# KiCad board raven.kicad_pcb (continued)
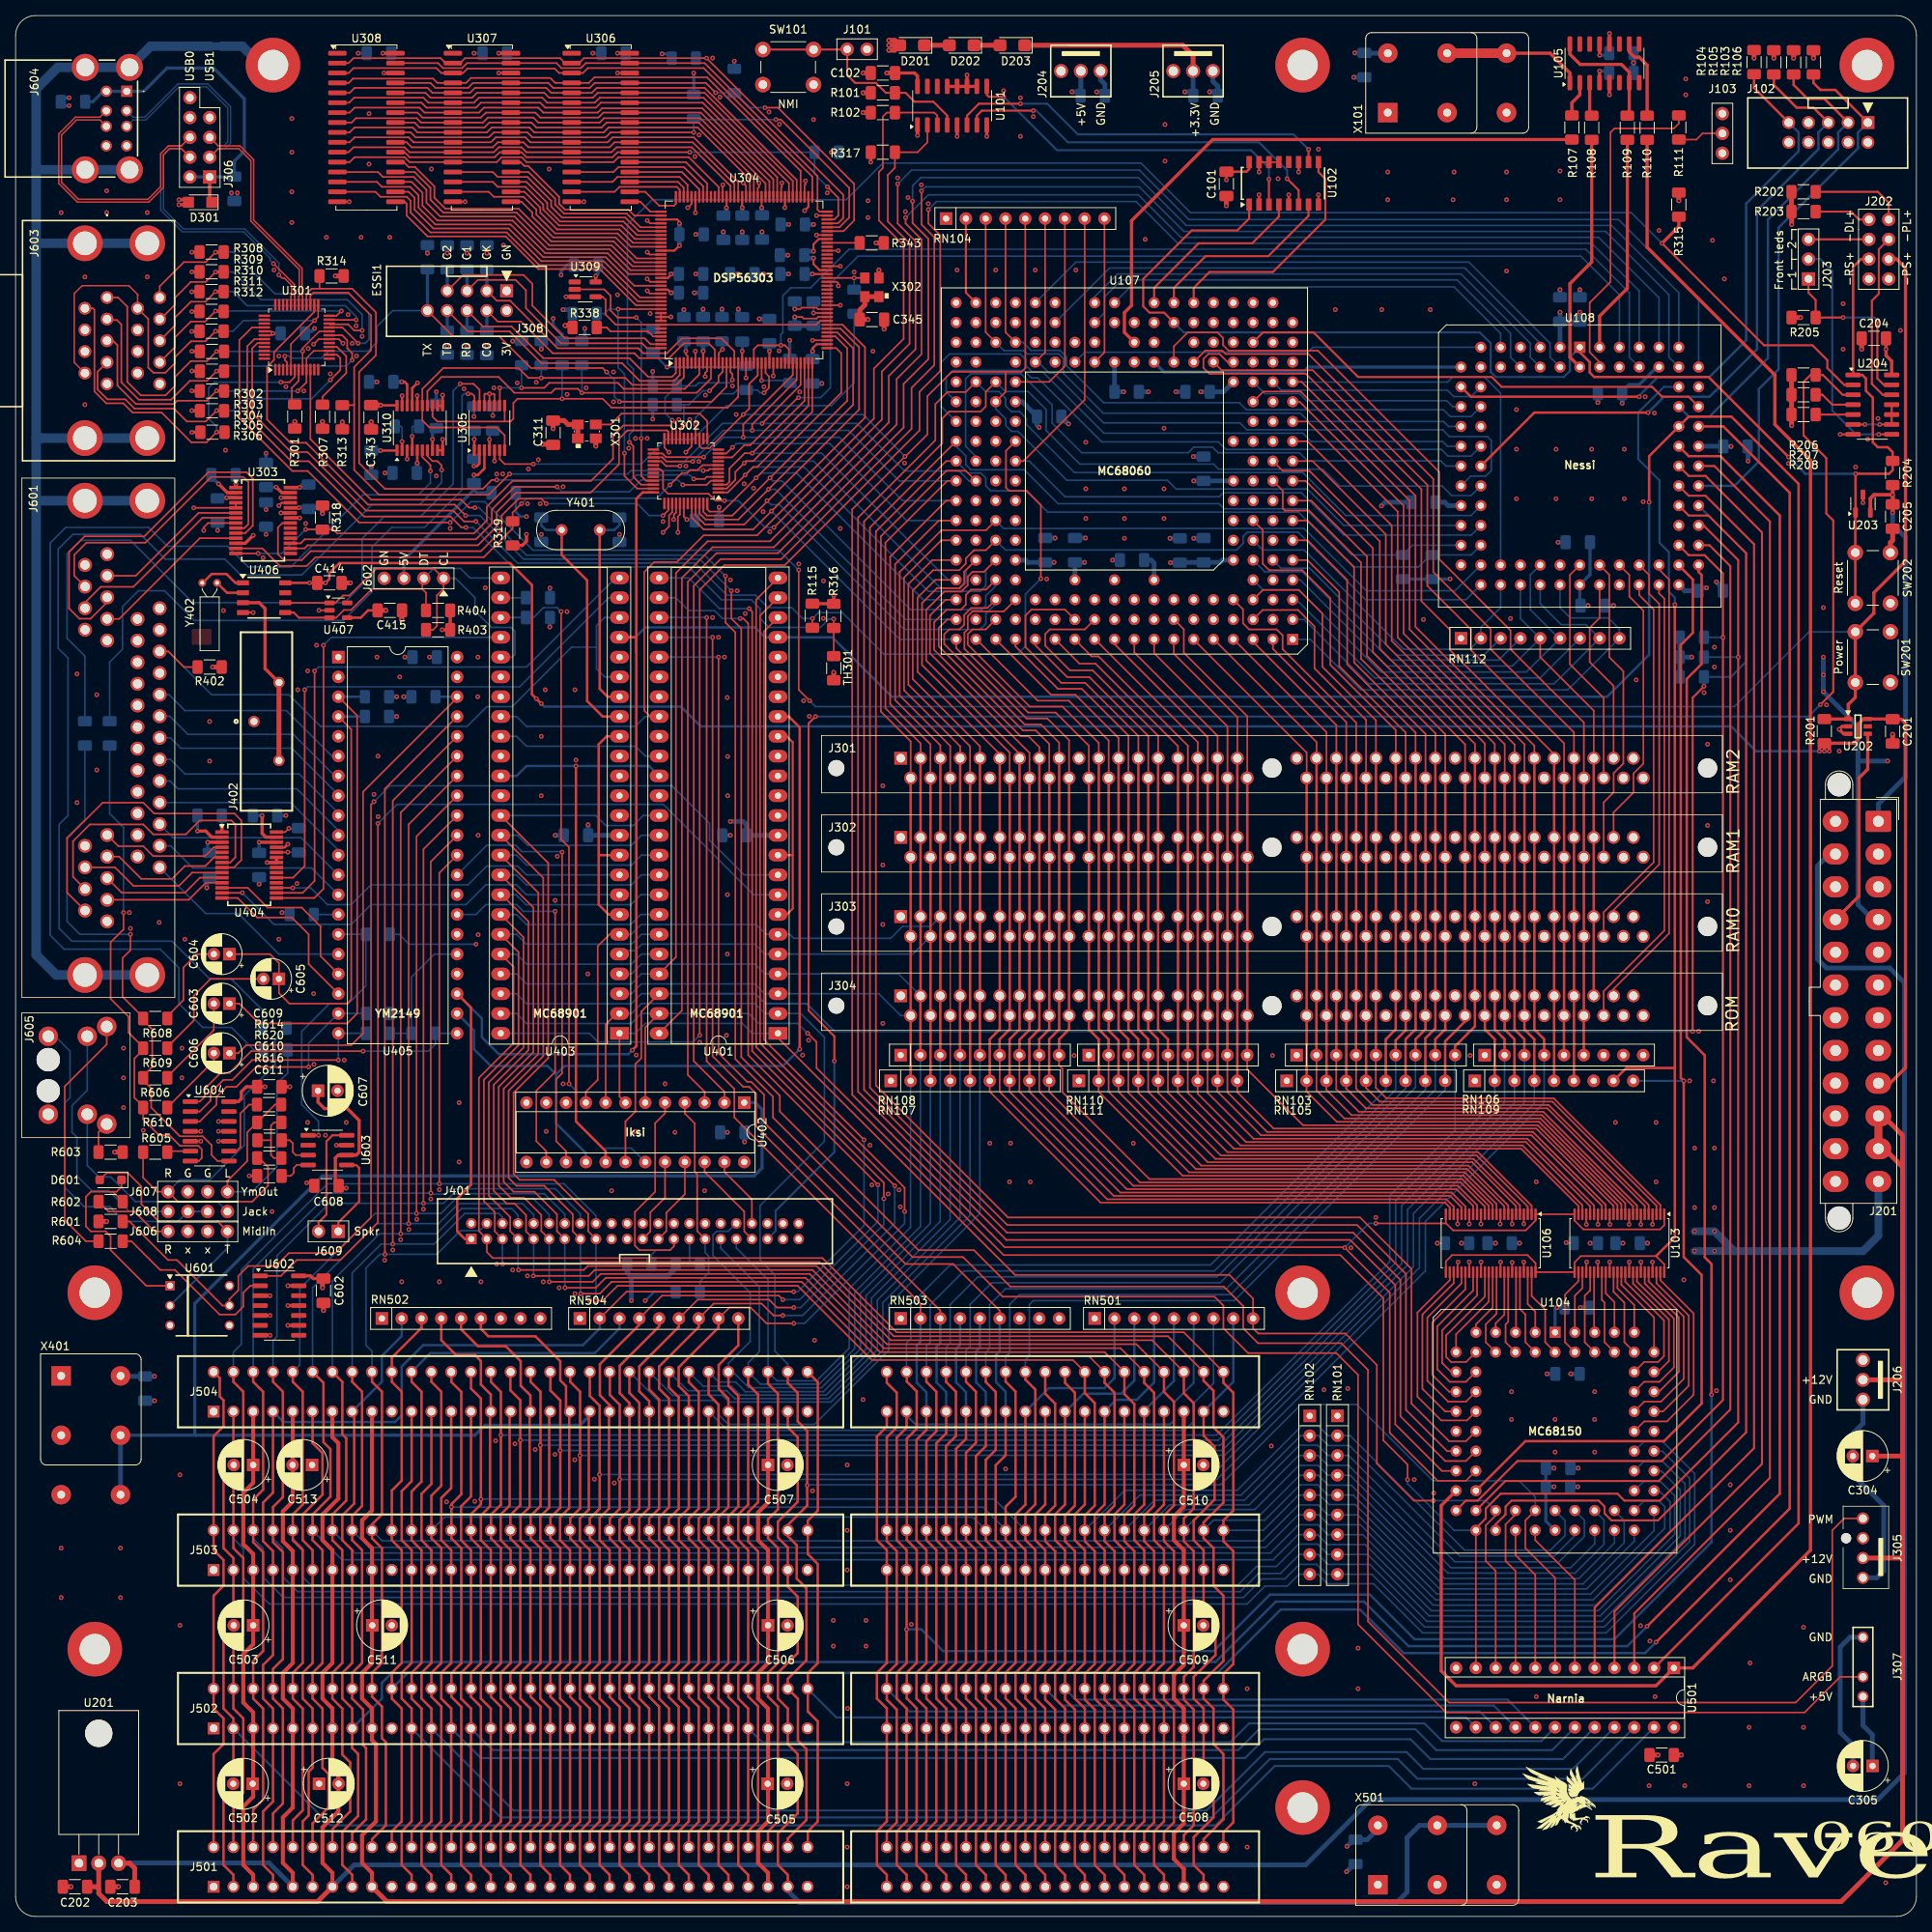
[diagram p0: board, top side]
## Routing (per net, layer and track width the routed paths; a pad name or vN(x,y) marks a point on that pad's centre or on a via; arc(x,y) is an arc through that point) (continued)
BD27: length 20.5
  Top w0.203: U106.32 186.98,80.3 182.37,75.69 182.37,70.19 183.99,68.58 186.05,68.58 U104.13
BD28: length 18.9
  Top w0.203: U106.30 185.98,80.44 181.74,76.2 181.74,69.47 183.9,67.31 U104.14
BD29: length 23.6
  Top w0.203: U106.29 185.48,81.21 181.1,76.84 181.1,68.71 183.77,66.04 186.05,66.04 U104.15
BD30: length 22.1
  Top w0.203: U104.16 183.39,64.77 180.47,67.69 180.47,77.22 184.48,81.23 U106.27
BD31: length 26.9
  Top w0.203: U106.26 183.98,81.62 179.83,77.47 179.83,66.68 182.88,63.63 186.18,63.63 U104.17
CLK2: length 107.4
  Top w0.305: v1(100.58,111.25) 100.58,152.53 99.19,153.92 U401.17
  Bottom w0.305: 69.34,108.01 68.26,109.09 60.96,109.09 58.8,111.25 58.8,113.67 U405.22 ; 69.34,108.01 70.42,109.09 98.43,109.09 v1(100.58,111.25) ; 69.34,108.01 69.34,101.73 73.15,97.92 U402.16
CLK4: length 73.8
  Top w0.305: U402.17 75.69,98.17 71.88,101.98 v1(71.88,147.57)
  Bottom w0.305: U403.35 64.26,146.3 65.53,147.57 v1(71.88,147.57) 81.28,147.57 U401.35
CLK8: length 239.9
  Top w0.305: J501.20 73.66,5.33 72.39,6.6 72.39,10.92 73.66,12.19 J502.20 73.66,26.67 72.39,27.94 72.39,31.24 73.66,32.51 J503.20 73.66,46.99 72.39,48.26 72.39,51.05 73.53,52.2 73.53,64.64
  Bottom w0.406: 23.11,61.72 58.93,61.72 60.2,62.99 72.39,62.99 73.66,64.26 ; 23.11,61.72 X401.5 ; 23.11,61.72 22.99,61.85 22.99,78.61 39.37,95 94.74,95 95.76,96.01 95.76,103.51 94.87,104.39 U402.1
  Bottom w0.61: X401.5 X401.5
COM1:CTS: length 23.8
  Top w0.203: 8.91,168.55 10.92,170.56 15.11,170.56 23.97,179.42 28.23,179.42
COM1:DTR: length 20.8
  Top w0.203: U303.11 23.63,176.8 13.28,166.44 J601.A4
COM1:RTS: length 38.6
  Top w0.203: J601.A7 7.52,171.99 7.52,174.65 9.09,176.23 16.66,176.23 25.1,184.66 29.21,184.66 29.87,184 29.87,178.61 29.35,178.1 U303.9
COM1:RXD: length 19.8
  Top w0.203: J601.A2 15.41,171.98 23.48,180.05 28.25,180.05
COM1:TXD: length 50.3
  Top w0.203: 11.75,168.59 9.63,166.47 8.18,166.47 6.86,167.79 6.86,175.06 8.84,177.04 16.51,177.04 24.74,185.27 29.62,185.27 30.43,184.45 30.43,178.41 29.46,177.45 U303.10
COM2:CD: length 16.3
  Top w0.203: J601.B1 13.19,137.29 16.38,137.29 17.65,136.02 24.3,136.02 25.44,137.15 U404.4
COM2:CTS: length 36.2
  Top w0.203: U404.7 27.53,135.2 28.19,135.86 28.19,140.08 27.69,140.59 23.62,140.59 21.84,138.81 17.65,138.81 16.38,140.08 9.52,140.08 7.37,137.92 7.37,133.34 J601.B8
COM2:DTR: length 15.6
  Top w0.203: U404.11 24.4,132.6 22.21,130.42 J601.B4
COM2:RI: length 43.4
  Top w0.203: J601.B9 6.6,131.34 6.6,138.3 11.18,142.88 16.38,142.88 17.78,141.48 28.07,141.48 28.96,140.59 28.96,135.51 28,134.55 U404.8
COM2:RTS: length 19.2
  Top w0.203: J601.B7 12.75,134.57 15.11,132.21 20.95,132.21 22.65,133.9 U404.9
COM2:RXD: length 17
  Top w0.203: U404.6 25.44,135.85 24.33,134.75 21.72,134.75 20.07,133.1 16.13,133.1 13.27,135.96 J601.B2
COM2:TXD: length 16.3
  Top w0.203: J601.B3 13.62,131.32 21.72,131.32 23.65,133.25 U404.10
D0: length 118.2
  Top w0.203: J301.45 174.51,153.43 167.64,160.3 167.64,167.13 164.62,170.15 159.99,170.15 U107.C03 ; RN103.5 174.5,106.3 175.84,104.95 197.31,104.95 210.99,91.27 U103.2
  Top w0.305: RN103.5 174.5,118.09 ; J301.45 J304.45
D1: length 115.8
  Top w0.203: J301.44 173.24,153.48 166.62,160.1 166.62,165.48 164.52,167.59 159.97,167.59 U107.B03 ; RN105.5 173.23,106.29 174.99,104.52 197.13,104.52 210.49,91.16 U103.3
  Top w0.305: J301.44 J302.44 J303.44 J304.44 173.24,107.2
D2: length 116.2
  Top w0.203: J301.43 171.97,153.12 162.53,162.56 162.53,164.34 161.77,165.1 158.24,165.1 157.45,165.89 157.45,167.67 U107.C04 ; RN103.4 171.96,106.2 174.07,104.09 196.67,104.09 209.49,91.27 U103.5
  Top w0.305: RN103.4 171.96,118.09 ; J301.43 J304.43
D3: length 107.1
  Top w0.203: U103.6 208.99,91.16 196.49,103.66 173.23,103.66 170.69,106.2 RN105.4 ; J301.42 170.7,153.2 161.29,162.61 U107.A02
  Top w0.305: 170.7,107.2 J304.42 J301.42
D4: length 107.7
  Top w0.203: J301.41 169.43,152.82 158.75,163.5 ; RN103.3 169.42,106.12 172.31,103.23 195.97,103.23 207.99,91.2 U103.8
  Top w0.305: J301.41 J304.41 ; RN103.3 169.42,118.09
D5: length 109.3
  Top w0.203: U103.9 207.49,91.09 195.79,102.79 171.37,102.79 168.15,106.02 RN105.3 ; 156.24,163.83 168.16,151.91 J301.40
  Top w0.305: 168.16,107.2 J304.40 J301.40
D6: length 110.4
  Top w0.203: U103.11 206.49,91.48 195.61,102.36 170.46,102.36 166.88,105.94 RN103.2 ; J301.39 166.89,150.64 153.7,163.83
  Top w0.305: RN103.2 166.88,118.09 ; J301.39 J304.39
D7: length 111.6
  Top w0.203: 151.13,163.78 165.62,149.29 J301.38 ; RN105.2 165.61,105.82 169.49,101.93 195.43,101.93 205.99,91.37 U103.12
  Top w0.305: 165.62,107.2 J304.38 J301.38
D8: length 117.5
  Top w0.203: RN110.9 157.99,108.66 165.15,101.5 195.25,101.5 205.49,91.26 U103.13 ; J301.36 158,153.96 149.86,162.1 149.86,165.1 U107.B07
  Top w0.305: J301.36 J304.36 ; RN110.9 157.99,115.55
D9: length 116.8
  Top w0.203: J301.35 156.73,153.84 148.59,161.98 U107.A07 ; U103.14 204.99,91.15 195.07,101.07 161.39,101.07 156.72,105.73 RN111.9
  Top w0.305: 156.73,107.2 J304.35 J301.35
D10: length 117.7
  Top w0.203: U107.A08 146.05,162.05 155.46,152.64 J301.34 ; RN110.8 155.45,105.73 160.54,100.63 194.64,100.63 203.99,91.29 U103.16
  Top w0.305: J301.34 J304.34 ; RN110.8 155.45,115.55
D11: length 118.9
  Top w0.203: J301.33 154.19,151.45 143.51,162.13 U107.A09 ; RN111.8 154.18,105.79 159.77,100.2 194.46,100.2 203.49,91.18 U103.17
  Top w0.305: J301.33 J304.33 154.19,107.2
D12: length 119.8
  Top w0.203: J301.32 152.92,151.27 140.97,163.22 U107.A10 ; U103.19 202.49,91.21 193.93,99.77 158.8,99.77 152.91,105.66 RN110.7
  Top w0.305: RN110.7 152.91,115.55 ; J301.32 J304.32
D13: length 121.1
  Top w0.203: RN111.7 151.64,105.54 157.84,99.34 193.75,99.34 201.99,91.1 U103.20 ; J301.31 151.65,150.64 138.46,163.83
  Top w0.305: 151.65,107.2 J304.31 J301.31
D14: length 122.4
  Top w0.203: J301.30 150.38,150.18 138.91,161.65 138.02,161.65 135.89,163.78 ; RN110.6 150.37,105.66 157.12,98.91 193.32,98.91 200.99,91.24 U103.22
  Top w0.305: RN110.6 150.37,115.55 ; J301.30 J304.30
D15: length 124.4
  Top w0.203: J301.29 149.11,150.13 138.53,160.71 136.47,160.71 U107.A13 ; U103.23 200.49,91.13 193.14,98.48 156.29,98.48 149.1,105.66 RN111.6
  Top w0.305: 149.11,107.2 J304.29 J301.29
D16: length 128
  Top w0.203: U106.2 194.48,91.17 187.6,98.04 155.45,98.04 147.83,105.66 RN110.5 ; U107.B11 137.16,165.1 132.66,165.1 132.08,164.52 132.08,163.02 135.25,159.84 138.18,159.84 146.57,151.45 J301.27
  Top w0.305: RN110.5 147.83,112.52 146.57,113.78 J304.27 J301.27
D17: length 120.8
  Top w0.203: U106.3 193.98,91.06 187.43,97.61 154.61,97.61 146.56,105.66 RN111.5 ; U107.A14 130.81,163.07 134.9,158.98 137.74,158.98 145.3,151.42 J301.26
  Top w0.305: J301.26 J304.26 145.3,113.78 146.56,112.52 RN111.5
D18: length 131.5
  Top w0.203: J301.25 144.03,151.42 137.21,158.24 134.14,158.24 129.54,162.84 129.54,166.88 130.3,167.64 134.62,167.64 U107.B12 ; U106.5 192.98,91.22 187.02,97.18 153.9,97.18 145.29,105.79 RN110.4
  Top w0.305: J301.25 J304.25 144.03,113.78 145.29,112.52 RN110.4
D19: length 122
  Top w0.203: RN111.4 144.02,105.66 152.93,96.75 186.84,96.75 192.48,91.11 U106.6 ; J301.24 142.76,151.47 136.75,157.48 133.71,157.48 128.27,162.92 U107.A15
  Top w0.305: J301.24 J304.24 142.76,113.78 144.02,112.52 RN111.4
D20: length 122.9
  Top w0.203: RN110.3 142.75,105.66 152.1,96.32 186.36,96.32 191.48,91.2 U106.8 ; J301.23 141.49,151.17 135.94,156.72 132.82,156.72 125.73,163.8
  Top w0.305: RN110.3 142.75,112.52 141.49,113.78 J304.23 J301.23
D21: length 124.5
  Top w0.203: J301.22 140.22,150.84 135.1,155.96 131.11,155.96 123.24,163.83 ; RN111.3 141.48,105.79 151.38,95.89 186.18,95.89 190.98,91.09 U106.9
  Top w0.305: RN111.3 141.48,112.4 140.22,113.65 J304.22 J301.22
D22: length 130
  Top w0.203: J301.21 138.95,150.53 134.29,155.19 130.1,155.19 122.15,163.14 122.15,164.49 122.76,165.1 124.46,165.1 U107.B16 ; U106.11 189.98,91.38 185.91,95.45 150.55,95.45 140.21,105.79 RN110.2
  Top w0.305: J301.21 J304.21 138.95,113.78 140.21,112.52 RN110.2
D23: length 135.1
  Top w0.203: U107.C15 126.77,167.41 122.76,167.41 122.15,166.8 122.15,165.13 121.72,164.69 121.72,162.61 129.9,154.43 133.43,154.43 137.68,150.18 J301.20 ; U106.12 189.48,91.27 185.73,95.02 149.71,95.02 138.94,105.79 RN111.2
  Top w0.305: RN111.2 138.94,112.52 137.68,113.78 J304.20 J301.20
D24: length 204.4
  Top w0.203: RN108.9 133.86,109.17 134.29,108.74 134.29,105.74 145.44,94.59 185.55,94.59 188.98,91.16 U106.13 ; U302.44 86.73,179.46 88.26,177.93 94.62,177.93 v1(96.96,180.28) 108.97,192.28 108.97,201.3 106.07,204.19 U304.43 ; U107.A18 120.65,162.71 129.69,153.67 132.36,153.67 135.14,150.89 J301.18
  Top w0.305: J301.18 J304.18 135.14,113.8 133.86,112.52 RN108.9
  Bottom w0.203: U107.A18 113.41,163.83 v1(96.96,180.28)
D25: length 219.2
  Top w0.203: U107.C16 124.66,167.84 122.58,167.84 121.69,166.95 121.69,165.71 121.08,165.1 119.76,165.1 119.13,164.47 119.13,163.22 129.44,152.91 131.52,152.91 133.87,150.56 J301.17 ; U302.45 87.23,179.76 88.42,178.56 93.47,178.56 96.39,181.48 v1(96.39,181.61) 96.52,181.61 108.2,193.29 108.2,201.3 105.81,203.69 U304.42 ; RN107.9 132.59,105.79 144.22,94.16 185.37,94.16 188.48,91.05 U106.14
  Top w0.305: J301.17 J304.17 133.87,113.8 132.59,112.52 RN107.9
  Bottom w0.203: v1(96.39,181.61) 96.9,181.1 97.98,181.1 113.98,165.1 123.72,165.1 124.46,165.84 124.46,167.1 125.73,168.37
D26: length 202.7
  Top w0.203: J301.16 132.6,150.41 130.86,152.15 129.21,152.15 118.41,162.94 118.41,165.28 119.51,166.37 U107.B18 ; RN108.8 131.32,105.79 143.38,93.73 185.01,93.73 187.48,91.26 U106.16 ; U304.41 105.42,203.19 107.44,201.17 107.44,193.93 v1(96.58,183.07) 92.71,179.2 88.52,179.2 87.73,179.99 U302.46
  Top w0.305: RN108.8 131.32,112.52 132.6,113.8 J304.16 J301.16
  Bottom w0.203: v1(96.58,183.07) 97.47,183.07 114.17,166.37 U107.B18
D27: length 216.4
  Top w0.203: U107.D16 124.49,170.21 122.58,170.21 121.89,169.52 121.89,168.28 121.23,167.61 119.42,167.61 117.83,166.03 117.83,162.48 128.93,151.38 129.95,151.38 131.33,150 J301.15 ; U302.47 88.23,180.18 88.7,179.71 91.95,179.71 v1(96.77,184.53) 106.68,194.44 106.68,201.17 105.16,202.69 U304.40 ; U106.17 186.98,91.15 184.84,93.29 142.54,93.29 130.05,105.79 RN107.8
  Top w0.305: RN107.8 130.05,112.52 131.33,113.8 J304.15 J301.15
  Bottom w0.203: v1(96.77,184.53) 97.16,184.15 98.3,184.15 114.81,167.64 123.95,167.64 124.46,168.15 124.46,169.42 125.73,170.69 U107.D16
D28: length 199.6
  Top w0.203: U106.19 185.98,91.08 184.2,92.86 141.71,92.86 128.78,105.79 RN108.7 ; U107.C18 119.32,168.91 117.3,166.89 117.3,162.03 130.06,149.26 J301.14 ; U302.48 88.73,180.51 89.03,180.21 90.68,180.21 v1(95,184.53) 105.92,195.45 105.92,200.53 105.26,201.19 U304.37
  Top w0.305: RN108.7 128.78,112.46 130.06,113.74 J304.14 J301.14
  Bottom w0.203: U107.C18 116.43,168.91 100.18,185.17 95.63,185.17 v1(95,184.53)
D29: length 208.6
  Top w0.203: U106.20 185.48,90.97 184.02,92.43 140.87,92.43 127.51,105.79 RN107.7 ; 128.79,149.14 116.81,161.11 116.81,167.61 119.15,169.95 121.31,169.95 122.15,170.79 122.15,171.88 122.76,172.49 124.23,172.49 U107.E16 ; U302.1 91.36,182.67 v1(93.6,184.91) 94.62,185.93 95.12,185.93 102.2,193.01 U304.36
  Top w0.305: J301.13 J304.13 128.79,113.8 127.51,112.52 RN107.7
  Bottom w0.203: v1(93.6,184.91) 94.62,185.93 101.14,185.93 117.09,169.98 123.75,169.98 124.46,170.69 124.46,172.72 U107.E16
D30: length 204.3
  Top w0.203: U107.E17 121.69,172.49 121.69,171.02 121.06,170.38 118.19,170.38 116.28,168.48 116.28,160.53 127.52,149.29 J301.12 ; U302.2 91.22,183.17 92.33,184.28 92.33,185.29 v1(93.47,186.44) 93.73,186.69 94.62,186.69 101.7,193.78 U304.35 ; U106.22 184.48,91.06 183.54,92 140.03,92 126.24,105.79 RN108.6
  Top w0.305: RN108.6 126.24,112.52 127.52,113.8 J304.12 J301.12
  Bottom w0.203: U107.E17 121.92,172.72 121.92,171.09 121.21,170.38 118.67,170.38 102.36,186.69 93.73,186.69 v1(93.47,186.44)
D31: length 193.9
  Top w0.203: U106.23 183.98,90.95 183.36,91.57 139.19,91.57 124.97,105.79 RN107.6 ; 126.25,149.11 115.7,159.66 115.7,169.16 117.98,171.45 U107.D18 ; U302.3 91.21,183.67 91.57,184.02 91.57,185.74 93.54,187.71 v1(94.49,187.71) 101.2,194.42 U304.34
  Top w0.305: J301.11 J304.11 126.25,113.8 124.97,112.52 RN107.6
  Bottom w0.203: v1(94.49,187.71) 103.38,187.71 119.63,171.45 U107.D18
DSP_A0: length 67
  Top w0.203: U304.72 103.13,218.69 102.87,218.95 102.87,223.27 88.39,237.74 73.15,237.74 72.52,237.11 70.02,237.11 69.39,237.74 57.91,237.74 57.28,237.11 54.82,237.11 54.19,237.74 48.6,237.74
DSP_A1: length 70.4
  Top w0.203: 102.2,220.6 102.2,223.17 88.26,237.11 73.41,237.11 72.77,236.47 69.72,236.47 69.17,237.03 57.96,237.03 57.4,236.47 U307.3 54.61,236.47 53.98,237.11 43.36,237.11 42.72,236.47 41.4,236.47
DSP_A2: length 68.9
  Top w0.203: 100.7,220.6 100.7,223.91 88.69,235.92 74.25,235.92 73.53,235.2 69.22,235.2 68.58,235.84 58.42,235.84 57.79,235.2 54.1,235.2 53.55,235.76 43.28,235.76 42.72,235.2 41.4,235.2
DSP_A3: length 67.2
  Top w0.203: 100.2,220.6 100.2,222.76 88.39,234.57 74.55,234.57 73.91,233.93 68.71,233.93 68.07,234.57 58.93,234.57 58.29,233.93 53.47,233.93 52.83,234.57 43.48,234.57 42.85,233.93 41.4,233.93
DSP_A4: length 58.9
  Top w0.203: 48.6,233.93 52.58,233.93 53.21,233.3 58.55,233.3 59.18,233.93 67.82,233.93 68.45,233.3 74.04,233.3 74.68,233.93 88.39,233.93 99.7,222.62 99.7,220.6
DSP_A5: length 65.4
  Top w0.203: 99.2,220.6 99.2,222.36 88.26,233.3 74.93,233.3 74.29,232.66 68.2,232.66 67.56,233.3 59.44,233.3 58.8,232.66 52.96,232.66 52.32,233.3 43.42,233.3 42.78,232.66 41.4,232.66
DSP_A6: length 56.6
  Top w0.203: 97.7,220.6 97.7,223.1 88.14,232.66 75.08,232.66 74.45,232.03 67.94,232.03 67.31,232.66 59.69,232.66 59.05,232.03 52.71,232.03 52.07,232.66 48.6,232.66
DSP_A7: length 63.1
  Top w0.203: 41.4,231.39 42.85,231.39 43.48,232.03 51.82,232.03 52.45,231.39 59.44,231.39 60.07,232.03 67.06,232.03 67.69,231.39 74.68,231.39 75.23,231.95 88.09,231.95 97.2,222.84 97.2,220.6
DSP_A8: length 54.8
  Top w0.203: 96.7,220.6 96.7,222.58 87.88,231.39 75.4,231.39 74.76,230.76 67.31,230.76 66.68,231.39 60.32,231.39 59.69,230.76 52.2,230.76 51.56,231.39 48.6,231.39
DSP_A9: length 61.2
  Top w0.203: 41.4,230.12 43.1,230.12 43.66,230.68 51.45,230.68 52.01,230.12 59.94,230.12 60.58,230.76 66.42,230.76 67.06,230.12 74.93,230.12 75.49,230.68 87.84,230.68 96.2,222.31 96.2,220.6
DSP_A10: length 52.5
  Top w0.203: 94.7,220.6 94.7,223.05 87.63,230.12 75.82,230.12 75.18,229.49 66.8,229.49 66.17,230.12 60.77,230.12 60.13,229.49 51.82,229.49 51.18,230.12 48.6,230.12
DSP_A11: length 59.1
  Top w0.203: 94.2,220.6 94.2,222.79 87.5,229.49 76.07,229.49 75.44,228.85 66.55,228.85 65.91,229.49 61.09,229.49 60.45,228.85 51.56,228.85 50.93,229.49 43.48,229.49 42.85,228.85 41.4,228.85
DSP_A12: length 56.9
  Top w0.203: 92.7,220.6 92.7,222.51 87,228.22 76.58,228.22 75.95,227.58 66.04,227.58 65.41,228.22 61.6,228.22 60.96,227.58 51.05,227.58 50.42,228.22 43.48,228.22 42.85,227.58 41.4,227.58
DSP_A13: length 48.5
  Top w0.203: 48.6,227.58 50.16,227.58 50.8,226.95 61.21,226.95 61.85,227.58 65.15,227.58 65.79,226.95 76.2,226.95 76.84,227.58 86.86,227.58 92.2,222.25 92.2,220.6
DSP_A14: length 55.1
  Top w0.203: 41.4,226.31 42.72,226.31 43.36,226.95 49.91,226.95 50.55,226.31 61.34,226.31 61.98,226.95 64.9,226.95 65.53,226.31 76.45,226.31 77.09,226.95 86.74,226.95 91.7,221.99 91.7,220.6
DSP_A15: length 52.9
  Top w0.203: 90.2,220.6 90.2,221.84 86.36,225.68 77.34,225.68 76.71,225.04 65.56,225.04 64.92,225.68 62.36,225.68 61.72,225.04 50.55,225.04 49.91,225.68 43.48,225.68 42.85,225.04 41.4,225.04
DSP_AA1: length 76.4
  Top w0.203: 41.4,237.74 42.72,237.74 43.36,238.38 54.52,238.38 55.15,237.74 ; 57.02,237.74 57.66,238.38 69.85,238.38 70.49,237.74 ; 72.26,237.74 72.9,238.38 v1(88.65,238.38) 106.17,220.85 106.17,217.87 105.49,217.19 U304.69
  Bottom w0.203: v1(88.65,238.38) R344.1
DSP_CLOCK: length 6.3
  Top w0.203: 108.94,210.19 v1(107.57,210.19) U304.55
  Bottom w0.203: R345.2 v1(107.57,210.19)
DSP_D0: length 12.9
  Top w0.203: 78.66,225.04 85.98,225.04 88.7,222.32 88.7,220.6
DSP_D1: length 19.4
  Top w0.203: 71.46,223.77 76.71,223.77 77.34,224.41 85.72,224.41 88.2,221.93 88.2,220.6
DSP_D2: length 10.9
  Top w0.203: 78.66,223.77 85.47,223.77 87.7,221.54 87.7,220.6
DSP_D3: length 16.9
  Top w0.203: 71.46,222.5 76.58,222.5 77.21,223.14 85.19,223.14 86.2,222.12 86.2,220.6
DSP_D4: length 8.5
  Top w0.203: 78.66,222.5 84.96,222.5 85.7,221.77 85.7,220.6
DSP_D5: length 15.1
  Top w0.203: 71.46,221.23 76.84,221.23 77.47,221.87 84.84,221.87 85.2,221.5 85.2,220.6
DSP_D6: length 7.8
  Top w0.203: 84.7,220.6 84.7,219.72 84.71,219.71 84.46,219.46 82.55,219.46 80.77,221.23 78.66,221.23
DSP_D7: length 4.7
  Top w0.203: U304.109 81.41,218.69 80.14,219.96 78.66,219.96
DSP_D8: length 22.7
  Top w0.203: 63.42,225.04 64.77,225.04 65.28,224.54 65.79,224.54 69.72,220.6 69.72,219.71 70.48,218.95 78.61,218.95 79.37,218.19 U304.110
DSP_D9: length 22.7
  Top w0.203: 63.42,223.77 65.79,223.77 69.22,220.35 69.22,219.58 70.36,218.44 78.4,218.44 80.16,216.69 U304.113
DSP_D10: length 30.2
  Top w0.203: 56.22,223.77 61.21,223.77 61.85,223.14 65.66,223.14 68.71,220.09 68.71,219.33 70.1,217.93 78.21,217.93 79.95,216.19 U304.114
DSP_D11: length 22.6
  Top w0.203: U304.115 79.72,215.69 77.98,217.42 69.85,217.42 68.2,219.08 68.2,219.84 65.53,222.5 63.42,222.5
DSP_D12: length 30
  Top w0.203: 56.22,222.5 61.21,222.5 61.85,221.87 65.41,221.87 67.69,219.58 67.69,218.95 69.72,216.92 77.72,216.92 79.45,215.19 U304.116
DSP_D13: length 22.5
  Top w0.203: 63.42,221.23 65.28,221.23 67.31,219.2 67.31,218.57 69.47,216.41 77.47,216.41 79.19,214.69 U304.117
DSP_D14: length 29.9
  Top w0.203: 56.22,221.23 60.71,221.23 61.34,220.6 65.15,220.6 66.8,218.95 66.8,218.31 69.22,215.9 77.22,215.9 78.93,214.19 U304.118
DSP_D15: length 22.7
  Top w0.203: U304.121 79.67,212.69 76.96,215.39 68.96,215.39 66.29,218.06 66.29,218.57 64.9,219.96 63.42,219.96
DSP_D16: length 39.2
  Top w0.203: U304.122 79.41,212.19 76.71,214.88 68.71,214.88 64.52,219.08 55.12,219.08 53.72,220.47 53.72,221.93 51.24,224.41 50.42,224.41 49.78,225.04
DSP_D17: length 40.1
  Top w0.203: 48.6,223.77 51.18,223.77 53.21,221.74 53.21,220.22 54.86,218.57 64.26,218.57 68.45,214.38 76.45,214.38 79.14,211.69 U304.123
DSP_D18: length 47.6
  Top w0.203: 41.4,223.77 46.48,223.77 47.12,223.14 51.05,223.14 52.71,221.49 52.71,219.84 54.48,218.06 64.01,218.06 68.2,213.87 76.2,213.87 78.88,211.19 U304.124
DSP_D19: length 40
  Top w0.203: U304.125 78.62,210.69 75.95,213.36 67.94,213.36 63.75,217.55 54.1,217.55 52.2,219.46 52.2,221.11 50.8,222.5 48.6,222.5
DSP_D20: length 47.8
  Top w0.203: U304.128 79.36,209.19 75.69,212.85 67.69,212.85 63.5,217.04 53.85,217.04 51.69,219.2 51.69,220.79 50.61,221.87 46.99,221.87 46.35,222.5 41.4,222.5
DSP_D21: length 40.7
  Top w0.203: U304.131 80.1,207.69 75.44,212.34 67.44,212.34 63.25,216.54 53.59,216.54 51.18,218.95 51.18,220.47 50.42,221.23 48.6,221.23
DSP_D22: length 48.1
  Top w0.203: 41.4,221.23 46.16,221.23 46.8,220.6 50.16,220.6 50.67,220.09 50.67,218.57 53.21,216.03 62.99,216.03 67.18,211.84 75.18,211.84 79.83,207.19 U304.132
DSP_D23: length 40.6
  Top w0.203: U304.133 79.57,206.69 74.93,211.33 67.06,211.33 62.87,215.52 52.83,215.52 50.16,218.19 50.16,219.71 49.91,219.96 48.6,219.96
DSP_RESET: length 34.4
  Top w0.203: U309.2 75.5,208.72 76.33,207.9 76.33,205.99 77.22,205.11 v1(79.63,205.11) ; U302.33 80.88,184.17 80.26,184.79 v1(80.26,189.61)
  Bottom w0.203: v1(80.26,189.61) 80.26,203.58 ; v1(79.63,205.11) 80.26,204.47 80.26,203.58 ; R339.2 80.29,203.61 80.26,203.58
DSP_TX: length 77.6
  Top w0.203: J308.10 56.13,202.69 62.04,202.69 66.11,198.63 75.31,198.63 v1(75.82,198.12) ; U304.14 91.2,196.23 89.28,194.31 v1(77.47,194.31) ; v1(34.53,200.15) 34.54,200.14 34.54,199.64 34.82,199.37 U301.4
  Bottom w0.203: v1(34.53,200.15) 34.59,200.21 35,200.21 35.31,199.9 39.24,199.9 40.13,200.79 45.21,200.79 46.35,201.93 46.35,203.96 48.39,205.99 J308.10 ; v1(75.82,198.12) 76.84,197.1 76.84,194.95 v1(77.47,194.31)
  Bottom w0.406: J308.10 R334.2
ESSI0_SC0: length 3
  Top w0.203: U304.12 90.2,200.54 v1(90.68,201.02)
  Bottom w0.406: v1(90.68,201.02) 90.68,202 R328.2
ESSI0_SC1: length 3
  Top w0.203: v1(85.98,200.79) 85.98,200.41 86.2,200.18 U304.4
  Bottom w0.406: R329.2 85.98,201.8 v1(85.98,200.79)
ESSI0_SC2: length 56.7
  Top w0.203: 85.72,199.25 85.72,197.42 84.77,196.47 79.12,196.47 78.23,197.36 65.79,197.36 64.52,198.63 54.86,198.63 52.18,195.94 U310.15 52.18,191.91 53.09,191.01 61.72,191.01 62.74,189.99 U305.7
  Bottom w0.203: R330.2 v1(67.44,197.36)
ESSI0_SCK: length 55
  Top w0.203: U304.17 92.7,194.94 91.31,193.55 76.45,193.55 75.31,194.69 64.39,194.69 63.85,194.16 63.85,192.12 63.5,191.77 54.1,191.77 53.48,192.39 U310.13 ; U305.8 62.74,191.77
  Bottom w0.203: R331.2 v1(70.1,194.69)
ESSI0_SRD: length 33.5
  Top w0.203: v1(62.1,196.09) 62.12,196.07 62.12,193.95 ; U304.7 87.7,197.81 85.85,195.96 78.02,195.96 77.26,196.72 68.45,196.72 67.82,196.09 v1(64.9,196.09)
  Bottom w0.203: v1(62.1,196.09) v1(64.9,196.09) 64.9,198.95 R332.2
ESSI0_STD: length 46.5
  Top w0.203: U310.14 52.83,195.67 54.64,197.49 61.95,197.49 63.98,195.45 68.71,195.45 69.22,195.96 72.14,195.96 v1(72.64,195.45) 87.38,195.45 89.2,197.28 U304.10
  Bottom w0.203: R333.2 v1(72.64,195.45)
ESSI1_SC0: length 37.3
  Top w0.203: J308.4 61.85,204.6 64.83,204.6 68.9,200.53 79.38,200.53 80.01,199.9 83.82,199.9 85.72,201.8 88.9,201.8 89.7,201 U304.11
  Bottom w0.406: J308.4 R324.2 60.4,203.43
ESSI1_SC1: length 33.2
  Top w0.203: U304.144 80.98,201.19 80.36,201.8 69.98,201.8 65.47,206.31 65.47,208.6 64.13,209.93 59.31,209.93 J308.5
  Bottom w0.406: J308.5 R322.2
ESSI1_SC2: length 36.3
  Top w0.203: U304.143 81.46,201.69 80.71,202.44 70.49,202.44 66.29,206.63 66.29,209.42 65.15,210.57 57.4,210.57 J308.7
  Bottom w0.406: J308.7 R323.2
ESSI1_SCK: length 40.8
  Top w0.203: J308.3 61.72,207.26 63.44,207.26 69.53,201.17 79.88,201.17 80.52,200.53 83.57,200.53 85.47,202.44 90.55,202.44 92.2,200.79 U304.16
  Bottom w0.406: J308.3 R321.2
ESSI1_SRD: length 34.4
  Top w0.203: J308.6 59.94,203.96 63.63,203.96 67.69,199.9 78.74,199.9 81.15,197.49 84.2,197.49 84.7,197.99 U304.1
  Bottom w0.406: R325.2 J308.6
ESSI1_STD: length 38
  Top w0.203: J308.8 58.04,203.33 63.37,203.33 67.44,199.26 77.79,199.26 80.07,196.98 84.46,196.98 85.2,197.72 U304.2
  Bottom w0.406: R326.2 J308.8
FAN1_ARGB: length 335.2
  Top w0.203: J307.2 234.06,30.73 229.49,26.16 183.51,26.16 172.21,37.47 172.21,69.47 169.42,72.26 158.11,72.26 154.94,75.44 154.94,78.36 153.8,79.5 126.62,79.5 121.54,84.58 115.06,84.58 97.16,102.49 97.16,105.16 92.33,109.98 92.33,164.72 91.06,165.99 v1(91.06,171.96) ; U301.10 37.82,189.51 45.59,181.74 57.15,181.74 58.17,180.72 v1(58.93,180.72)
  Bottom w0.203: v1(91.06,171.96) 88.39,174.63 65.53,174.63 59.44,180.72 v1(58.93,180.72)
FAN1_PWM: length 366.2
  Top w0.203: v1(91.82,170.05) 91.82,166.5 93.09,165.23 93.09,110.24 98.04,105.28 98.04,103.25 115.82,85.47 122.94,85.47 127.6,80.8 154.97,80.8 157.48,78.3 157.48,75.44 159.38,73.53 170.05,73.53 173.48,70.1 173.48,37.85 183.9,27.43 228.35,27.43 233.04,32.13 233.04,49.53 234.57,51.05 J305.1 ; U301.26 38.32,205.83 33.15,200.66 33.15,199.66 32.26,198.77 32.26,192.02 35.24,189.04 37.27,189.04 45.21,181.1 56.34,181.1 v1(57.74,179.71)
  Bottom w0.203: v1(57.74,179.71) 59.56,179.71 65.15,174.12 87.76,174.12 v1(91.82,170.05)
I2C_CLK: length 48.5
  Top w0.203: R403.2 53.54,165.05 54.05,165.56 54.05,169.47 54.9,170.32 J602.1 53.69,172.87 46.25,172.87 42.82,169.44 41.97,169.44 41.03,168.5 U407.1 34.62,168.5
  Bottom w0.203: U403.29 63.7,161.54 64.06,161.9 64.06,164.85 63.55,165.35 61.06,165.35 58.93,167.49 58.93,169.16 56.44,171.65 J602.1
I2C_DTA: length 34.4
  Top w0.203: 52.17,170.28 52.65,169.8 R404.2 ; 52.17,170.28 52.17,171.46 ; 52.17,170.28 45.72,170.28 43.03,167.59 42.11,167.59 41.13,166.6 U407.3
  Top w0.254: U407.3 36.34,166.6 35.69,167.26 34.59,167.26
  Bottom w0.203: J602.2 53.63,172.92 57.07,172.92 58.29,171.7 U403.25
ICLK: length 18
  Top w0.406: X101.5 196.85,239.01 199.38,236.48 U105.1
  Top w1.219: X101.5 X101.5
IKBD_DBG_TX: length 4.5
  Top w0.203: 35.43,194.34 35.43,196.09 36.32,196.97 U301.7
IKBD_RX: length 82
  Top w0.203: v1(88.21,185.47) 88.83,185.47 89.02,185.67 U302.7 ; 43.43,193.93 43.43,185.55 46.61,182.37 60.71,182.37 v1(63.37,185.04) ; 43.43,193.93 43.43,198.76 45.59,200.91 45.59,205.38 42.67,208.3 38.23,208.3 37.82,207.89 U301.27 ; 43.43,193.93 43.37,193.87 R313.2
  Bottom w0.203: v1(88.21,185.47) 78.96,185.47 78.52,185.04 v1(63.37,185.04)
IKBD_TX: length 82.2
  Top w0.203: R314.2 38.99,208.81 ; 38.99,208.81 37.97,208.81 37.32,208.15 U301.28 ; 38.99,208.81 43.18,208.81 46.23,205.76 46.23,200.28 44.07,198.12 44.07,186.44 47.37,183.13 59.94,183.13 61.09,184.28 v1(61.72,184.28) ; U302.5 88.66,184.67 88.39,184.4 v1(87,184.4)
  Bottom w0.203: v1(87,184.4) 86.49,184.91 79.63,184.91 78.99,184.28 v1(61.72,184.28)
IRQ_ISA0: length 239.2
  Top w0.203: RN504.2 78.36,80.14 v1(99.82,80.14) ; v1(108.84,99.63) 96.01,112.46 96.01,164.84 U401.22
  Top w0.305: J501.4 33.02,5.33 31.75,6.6 31.75,13.46 33.02,14.73 J502.4 33.02,26.67 31.75,27.94 31.75,32.26 33.02,33.53 J503.4 33.02,46.86 31.75,48.13 31.75,53.09 33.02,54.36 J504.4